# KiCad board Retro.kicad_pcb (continued)
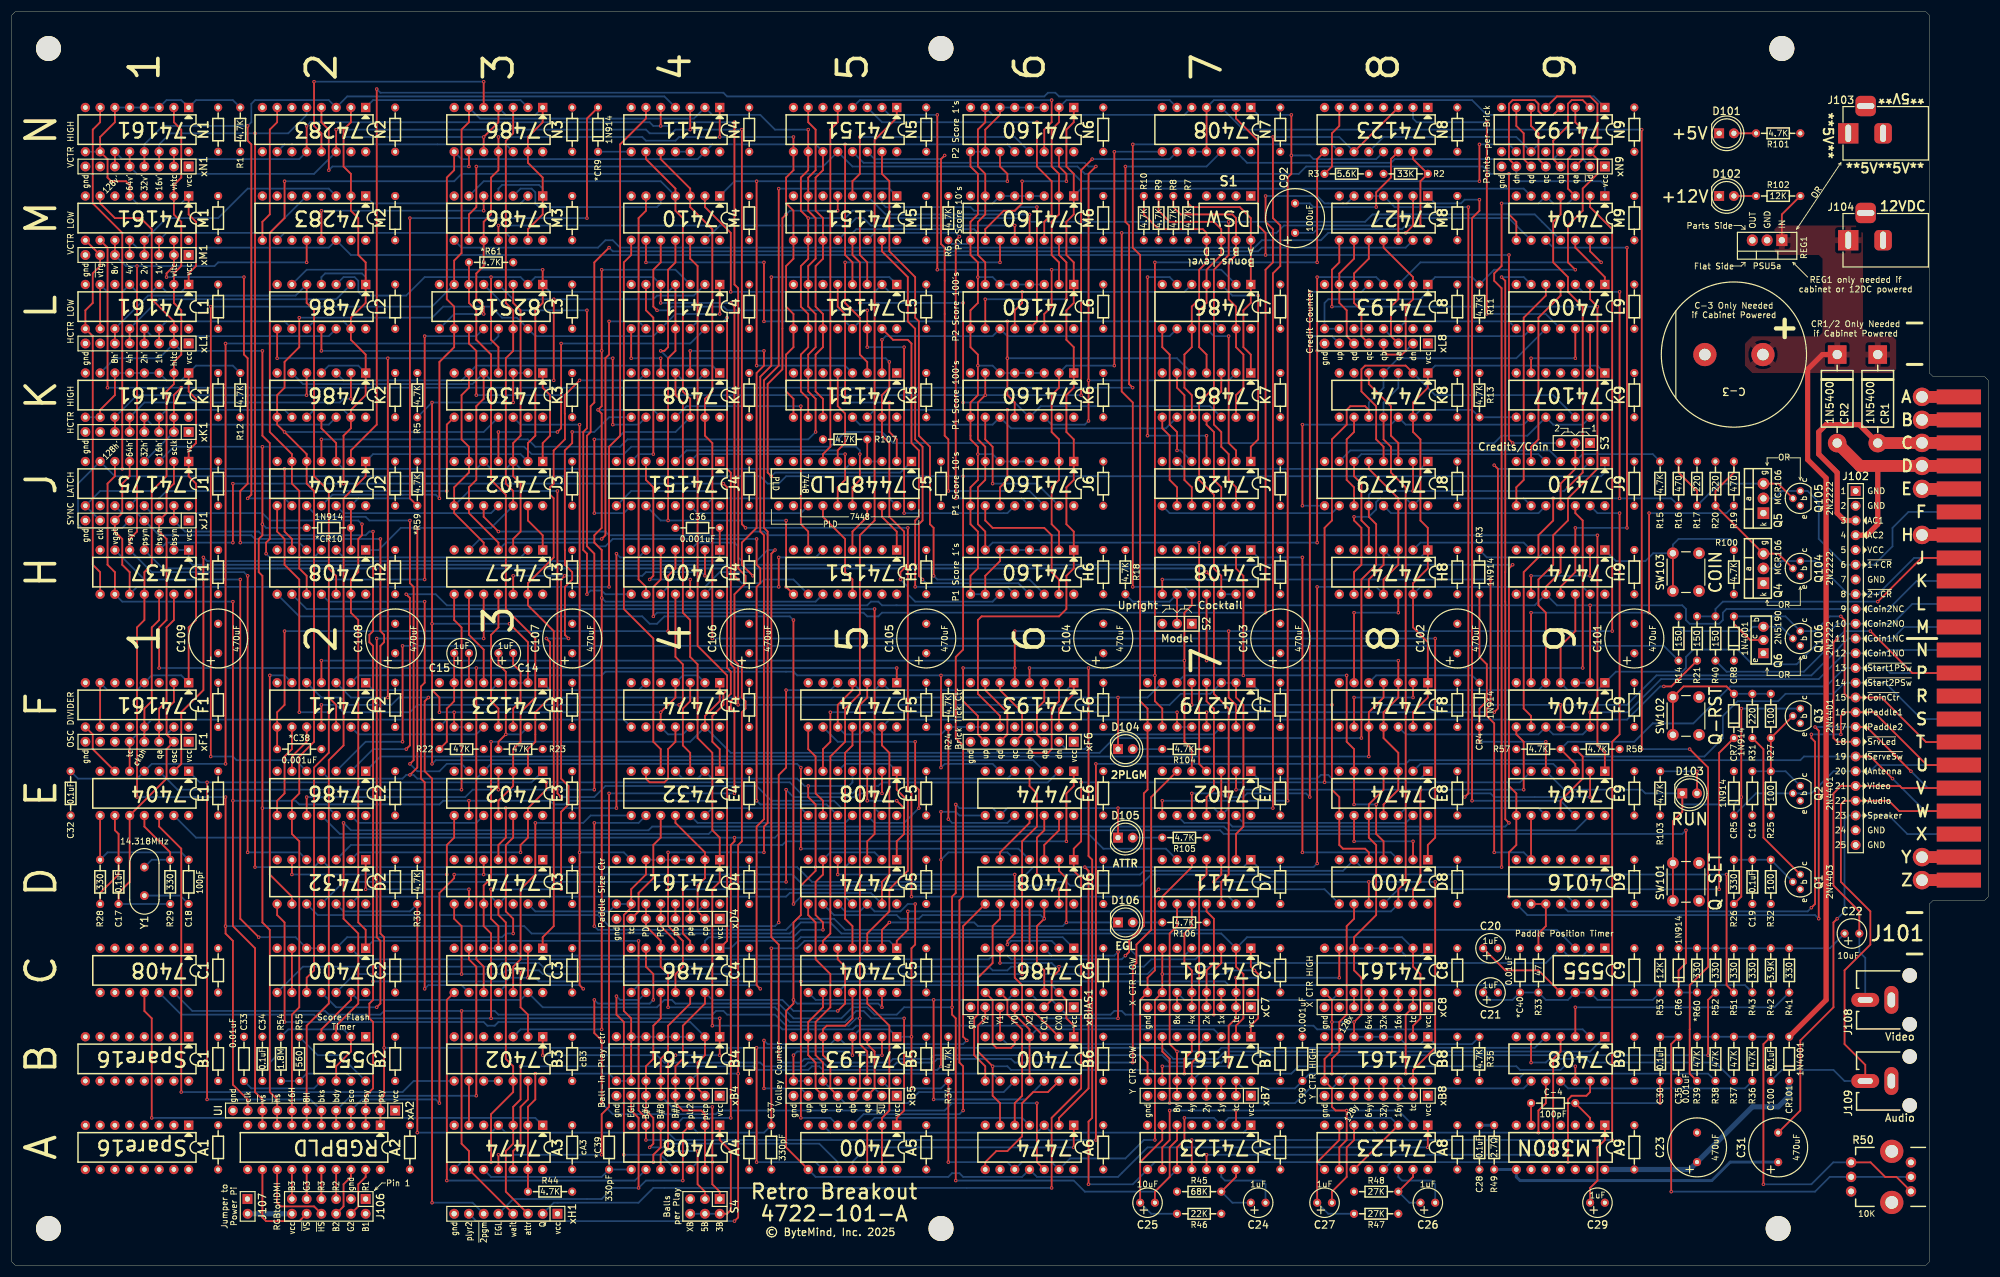
[diagram p0: board, top side]
## Routing (per net, layer and track width the routed paths; a pad name or vN(x,y) marks a point on that pad's centre or on a via; arc(x,y) is an arc through that point) (continued)
Net-(C6-Pad4): length 7.6
  Top w0.305: D6.11 C6.4
Net-(C9A-CV): length 16.5
  Top w0.305: C9.5 262.89,50.8 257.18,50.8 C20.1
Net-(C9A-Q): length 199.3
  Top w0.305: v1(100.33,58.42) v1(100.33,76.2)
  Bottom w0.305: C9.3 266.06,57.78 143.51,57.78 141.6,59.69 135.25,59.69 133.35,57.78 100.97,57.78 v1(100.33,58.42) ; E4.9 107.95,76.2 v1(100.33,76.2)
Net-(C17-Pad1): length 16.8
  Top w0.305: E1.9 17.78,74.93 18.41,74.29 C17.1 18.41,67.31 15.24,64.13 R28.2
Net-(C18-Pad1): length 23.9
  Top w0.305: R28.1 E1.8
  Bottom w0.305: R28.1 16.51,71.12 29.21,71.12 C18.1
Net-(C18-Pad2): length 8.2
  Bottom w0.305: Y1.2 29.03,63.68 C18.2
Net-(C28-Pad1): length 2.5
  Bottom w0.508: C28.1 R49.2
Net-(C30-Pad2): length 72.7
  Top w0.305: C35.1 285.75,38.1 v1(285.75,12.7)
  Bottom w0.305: R50.2 R50.2 313.06,15.24 310.51,12.7 v1(285.75,12.7) ; C35.1 C30.2
Net-(CR6-K): length 268.7
  Top w0.305: CR6.1 287.02,50.8 288.29,52.07 v1(288.29,74.93)
  Bottom w0.305: v1(288.29,74.93) 287.65,74.29 208.71,74.29 208.07,74.93 120.65,74.93 120.02,74.29 56.52,74.29 E2.11 ; CR6.1 *R60.2
Net-(CR7-K): length 85.9
  Top w0.305: CR7.1 294,88.26 v1(294,64.77)
  Bottom w0.305: D8.11 238.76,64.77 v1(294,64.77)
Net-(D2-Pad6): length 39.9
  Top w0.305: E3.8 76.2,73.66 74.93,72.39 v1(74.93,67.31) ; v1(48.26,67.31) D2.6
  Bottom w0.305: v1(74.93,67.31) v1(48.26,67.31)
Net-(D2-Pad9): length 45.3
  Top w0.305: D2.9 48.26,63.5 44.45,67.31 v1(44.45,101.6)
  Bottom w0.305: F2.6 46.99,101.6 v1(44.45,101.6)
Net-(D5A-D): length 46.7
  Top w0.305: v1(139.7,57.78) 139.7,59.05 138.43,60.32 138.43,66.04 139.7,67.31 D5.6
  Bottom w0.305: D5.2 148.59,71.12 140.97,71.12 D5.6 ; C4.2 119.38,55.88 120.02,56.51 134.62,56.51 135.89,57.78 v1(139.7,57.78)
Net-(D5A-Q): length 55.3
  Top w0.305: D5.5 v1(142.24,67.31) ; v1(172.72,67.31) D6.10 172.72,57.15 171.45,55.88 v1(171.45,55.24)
  Bottom w0.305: C6.2 179.07,55.88 172.09,55.88 v1(171.45,55.24) ; v1(142.24,67.31) v1(172.72,67.31)
Net-(D5A-~{R}): length 21.4
  Top w0.305: E5.3 v1(147.32,80.01) ; D5.1 152.4,73.02 153.67,74.29 153.67,78.74 v1(152.4,80.01)
  Bottom w0.305: v1(147.32,80.01) v1(152.4,80.01)
Net-(D5B-C): length 151.9
  Top w0.305: v1(134.62,111.12) v1(134.62,62.23)
  Bottom w0.305: v1(134.62,111.12) 133.99,111.76 112.39,111.76 111.12,110.49 109.86,110.49 108.58,111.76 49.53,111.76 H2.8 ; D5.11 143.51,63.5 135.89,63.5 v1(134.62,62.23)
Net-(D5B-Q): length 56
  Top w0.305: C6.12 177.8,50.8 176.53,52.07 176.53,58.42 v1(177.8,59.69) D6.12
  Bottom w0.305: D5.9 141.6,60.32 152.4,60.32 153.03,59.69 156.21,59.69 156.84,60.32 177.16,60.32 v1(177.8,59.69)
Net-(D7-Pad5): length 9.7
  Top w0.305: D7.8 198.12,63.5 203.2,68.58 D7.5
Net-(D7-Pad12): length 243.7
  Top w0.305: v1(205.74,119.38) 207.01,118.11 207.01,98.42 209.55,95.88 209.55,67.31 208.28,66.04 D7.12
  Bottom w0.305: v1(205.74,119.38) 205.1,120.01 26.04,120.01 H1.4
Net-(D8-Pad3): length 77.3
  Top w0.305: v1(222.25,121.92) v1(222.25,71.12)
  Bottom w0.305: H7.1 214.63,121.92 v1(222.25,121.92) ; v1(222.25,71.12) 237.49,71.12 D8.3
Net-(D101-A): length 3.8
  Top w0.305: D101.2 R101.2
Net-(D102-A): length 3.8
  Top w0.305: D102.2 R102.2
Net-(D103-A): length 10.2
  Top w0.305: v1(290.19,85.09) D103.2
  Bottom w0.305: R103.2 v1(290.19,85.09)
Net-(D104-A): length 5.1
  Bottom w0.305: D104.2 R104.2
Net-(D105-A): length 5.1
  Bottom w0.305: D105.2 R105.2
Net-(D106-A): length 5.1
  Bottom w0.305: D106.2 R106.2
Net-(E1-Pad3): length 87.6
  Top w0.305: v1(77.47,81.91) 77.47,109.85 76.2,111.12 H3.8
  Bottom w0.305: v1(77.47,81.91) 28.57,81.91 E1.3
Net-(E1-Pad11): length 14.4
  Top w0.305: E1.11 22.86,75.56 27.3,71.12 R29.2
  Bottom w0.305: R29.2 24.13,69.85 Y1.1
Net-(E2-Pad3): length 250.8
  Top w0.305: v1(67.31,106.68) v1(67.31,90.17)
  Bottom w0.305: R14.1 284.48,106.68 v1(67.31,106.68) ; v1(67.31,90.17) 60.96,90.17 E2.3
Net-(E2-Pad6): length 8.7
  Top w0.305: F2.10 50.8,90.17 48.26,87.63 E2.6
Net-(E2-Pad8): length 16.3
  Top w0.305: F2.9 48.26,88.9 46.99,87.63 46.99,81.28 45.72,80.01 E2.8
Net-(E2-Pad13): length 23.9
  Bottom w0.305: E2.13 59.69,76.2 80.01,76.2 E3.10
Net-(E3-Pad2): length 77.1
  Top w0.305: E3.2 88.9,88.9 90.17,90.17 90.17,95.25 92.71,97.79 92.71,107.31 v1(92.08,107.95) ; v1(96.52,143.51) 96.52,141.6 95.25,140.33 95.25,123.19 95.27,123.17 95.27,120.63 96.52,119.38 96.52,118.09 95.27,116.84 95.27,108.57 v1(95.89,107.95)
  Bottom w0.305: v1(96.52,143.51) 100.33,143.51 102.87,146.05 K4.8 ; v1(95.89,107.95) v1(92.08,107.95)
Net-(E4-Pad1): length 95.6
  Top w0.305: M4.12 116.84,173.35 118.11,172.08 118.11,106.68 123.19,101.6 123.19,99.06 122.56,98.42 122.56,96.52 120.65,94.61 120.65,90.17 121.92,88.9 E4.1
Net-(E4-Pad5): length 94.6
  Top w0.305: E4.5 111.76,88.9 110.49,90.17 110.49,107.95 105.41,113.03 105.41,172.72 106.68,173.99 M4.8
Net-(E4-Pad12): length 29
  Bottom w0.305: E4.12 118.11,76.2 143.51,76.2 E5.11
Net-(E4-Pad13): length 18.8
  Bottom w0.305: E5.8 135.89,78.74 120.65,78.74 E4.13
Net-(E5-Pad6): length 75.5
  Top w0.305: v1(140.97,95.25) 140.97,90.17 139.7,88.9 E5.6 ; F7.11 v1(200.66,95.25)
  Bottom w0.305: v1(200.66,95.25) v1(140.97,95.25) ; F7.11 F7.12
Net-(E6A-D): length 134.3
  Top w0.305: v1(87.63,71.12) 87.63,72.39 88.9,73.66 E3.13 88.9,78.74 92.08,81.91 v1(92.08,83.19)
  Bottom w0.305: v1(87.63,71.12) 59.69,71.12 D2.2 ; v1(92.08,83.19) 133.99,83.19 135.89,81.28 144.78,81.28 146.05,82.55 149.24,82.55 149.86,83.17 178.42,83.17 E6.2
Net-(E6A-~{R}): length 139.6
  Top w0.305: E6.1 182.88,82.55 181.61,81.28 v1(181.61,73.02)
  Bottom w0.305: v1(181.61,73.02) 133.35,73.02 132.72,72.39 58.42,72.39 D2.3
Net-(E6B-C): length 9.7
  Top w0.305: D6.6 170.18,71.12 175.26,76.2 E6.11
Net-(E6B-~{R}): length 8.7
  Top w0.305: D6.3 177.8,72.39 180.34,74.93 E6.13
Net-(E8A-D): length 26.5
  Bottom w0.305: E9.4 265.43,86.36 242.57,86.36 E8.2
Net-(E8A-~{R}): length 32.1
  Bottom w0.305: E7.1 214.63,83.82 224.79,83.82 225.43,84.45 226.69,84.45 227.33,83.82 242.57,83.82 E8.1
Net-(E8B-D): length 26.5
  Bottom w0.305: E9.10 262.89,78.74 240.03,78.74 E8.12
Net-(E8B-~{R}): length 31.5
  Bottom w0.305: E7.13 212.09,76.2 240.03,76.2 E8.13
Net-(E9-Pad1): length 236.7
  Top w0.305: v1(83.82,126.36) 81.28,128.9 J3.10 ; E9.1 274.32,88.26 273.05,89.53 v1(273.05,125.73)
  Bottom w0.305: v1(83.82,126.36) 102.23,126.36 102.87,125.73 127,125.73 127.64,126.36 129.54,126.36 130.18,125.73 v1(273.05,125.73)
Net-(F1A-~{PE}): length 9.7
  Top w0.305: E1.6 13.97,88.9 13.97,91.44 F1.9
Net-(F3A-Cx): length 13.8
  Top w0.305: C14.2 86.36,103.5 87.63,102.23 87.63,97.16 86.36,95.88 F3.14
Net-(F3A-RCx): length 21.9
  Top w0.305: R23.2 83.82,90.17 v1(85.09,91.44) 85.09,102.23 83.82,103.5 C14.1
  Bottom w0.305: v1(85.09,91.44) 87.63,91.44 F3.15
Net-(F3A-~{A}): length 18.8
  Bottom w0.305: F3.1 92.71,99.06 107.95,99.06 F4.6
Net-(F3B-Cx): length 5.1
  Top w0.305: C15.2 F3.6
Net-(F3B-RCx): length 17.6
  Top w0.305: R22.2 74.93,90.17 74.93,95.88 76.2,97.16 F3.7 C15.1
Net-(F3B-~{A}): length 34.1
  Bottom w0.305: F3.9 74.93,93.98 105.41,93.98 F4.8
Net-(F4A-C): length 16.3
  Top w0.305: F4.3 116.84,97.16 115.57,95.88 115.57,89.53 116.84,88.26 E4.3
Net-(F4B-C): length 15
  Top w0.305: E4.6 109.22,83.82 109.86,83.19 112.39,83.19 113.03,83.82 113.03,88.9 114.3,90.17 F4.11
Net-(F5A-Q): length 133.1
  Top w0.305: v1(132.08,59.05) 132.08,84.45 133.35,85.72 v1(133.35,99.06)
  Bottom w0.305: v1(133.35,99.06) 140.97,99.06 F5.5 ; v1(132.08,59.05) 131.44,58.42 102.87,58.42 100.97,60.32 52.7,60.32 D2.10
Net-(F6A-!BO): length 34.1
  Bottom w0.305: F7.14 207.01,91.44 176.53,91.44 F6.13
Net-(F7A-Q): length 23.9
  Top w0.305: F7.4 205.74,97.16 207.01,95.88 207.01,81.91 205.74,80.64 E7.11
Net-(F7D-Q): length 112.4
  Top w0.305: v1(255.27,137.79) 255.91,137.16 255.91,95.88 v1(255.27,95.25) ; F7.13 v1(205.74,95.25)
  Bottom w0.305: v1(255.27,137.79) 255.91,137.16 270.51,137.16 J9.2 ; v1(205.74,95.25) v1(255.27,95.25)
Net-(F8A-D): length 17.8
  Top w0.305: v1(231.14,97.79) F8.9 ; F8.2 v1(241.3,97.79)
  Bottom w0.305: v1(241.3,97.79) v1(231.14,97.79)
Net-(H3-Pad6): length 68.5
  Top w0.305: v1(101.6,125.09) 102.23,125.73 102.23,156.21 102.87,156.84 v1(102.87,162.56)
  Bottom w0.305: v1(101.6,125.09) 80.64,125.09 H3.6 ; L4.9 107.95,162.56 v1(102.87,162.56)
Net-(H4-Pad9): length 69.6
  Top w0.305: H4.9 109.22,116.84 107.95,118.11 107.95,180.34 109.22,181.61 M4.6
Net-(H4-Pad10): length 75.3
  Top w0.305: v1(127.64,118.74) 125.73,120.65 125.73,124.46 128.27,127 128.27,153.67 129.54,154.94 v1(129.54,157.48) ; K4.3 v1(116.84,157.48)
  Bottom w0.305: v1(127.64,118.74) 127,119.38 121.92,119.38 119.38,116.84 113.03,116.84 H4.10 ; v1(129.54,157.48) v1(116.84,157.48)
Net-(H5A-E): length 47.7
  Top w0.305: H5.7 137.16,126.36 135.89,127.63 v1(135.89,147.95)
  Bottom w0.305: K4.11 116.2,147.95 v1(135.89,147.95)
Net-(H6A-TC): length 25.7
  Top w0.305: J6.10 167.64,128.27 168.91,127 177.8,127 179.07,125.73 179.07,119.38 180.34,118.11 H6.15
Net-(H8A-Q): length 50.4
  Top w0.305: H8.5 233.68,127 232.41,128.27 232.41,134.62 231.14,135.89 J8.6
  Bottom w0.305: J8.6 232.41,139.7 262.89,139.7 J9.5
Net-(H8B-Q): length 48.5
  Top w0.305: H8.9 231.14,119.38 232.41,120.65 232.41,127 231.14,128.27 v1(231.14,128.9)
  Bottom w0.305: J9.9 260.35,132.08 242.57,132.08 J8.15 240.03,132.08 235.59,132.08 234.95,131.44 234.95,130.17 233.68,128.9 v1(231.14,128.9)
Net-(H9A-D): length 17.8
  Top w0.305: v1(271.78,118.74) H9.2 ; H9.9 v1(261.62,118.74)
  Bottom w0.305: v1(261.62,118.74) v1(271.78,118.74)
Net-(H9A-~{R}): length 33.5
  Top w0.305: SW103.1 SW103.1
  Bottom w0.305: R100.2 296.55,124.46 295.91,125.09 287.02,125.09 286.04,124.11 SW103.1 282.65,122.63 281.31,121.28 276.23,121.28 H9.1
Net-(J2-Pad12): length 29
  Bottom w0.305: J2.12 57.15,129.54 82.55,129.54 J3.11
Net-(J3-Pad1): length 16.3
  Top w0.305: J3.1 91.44,141.6 92.71,142.88 92.71,149.86 91.44,151.13 K3.1
Net-(J3-Pad4): length 56.6
  Top w0.305: v1(93.98,143.51) 94.61,144.14 v1(94.61,158.75) ; J3.4 v1(83.82,143.51)
  Bottom w0.305: L4.13 116.84,158.75 v1(94.61,158.75) ; v1(83.82,143.51) v1(93.98,143.51)
Net-(J4A-E): length 34.1
  Top w0.305: v1(110.49,139.7) 110.49,163.19 109.22,164.46 L4.6
  Bottom w0.305: v1(110.49,139.7) 107.95,139.7 J4.7
Net-(J5A-BI/RBO): length 6.4
  Top w0.305: R107.2 J5.4
  Bottom w0.305: J5.4 J5.3
Net-(J6A-TC): length 25
  Top w0.305: v1(168.91,134.62) 168.91,140.97 167.64,142.24 K6.10
  Bottom w0.305: J6.15 176.53,134.62 v1(168.91,134.62)
Net-(J7-Pad1): length 36.2
  Top w0.305: v1(214.63,167) 214.63,142.24 213.36,140.97 J7.1
  Bottom w0.305: v1(214.63,167) 210.19,167 L7.3
Net-(J7-Pad2): length 26.5
  Top w0.305: J7.2 210.82,140.33 209.55,141.6 v1(209.55,160.02)
  Bottom w0.305: v1(209.55,160.02) 207.01,160.02 L7.11
Net-(J7-Pad4): length 47.5
  Top w0.305: v1(195.58,170.18) v1(195.58,142.88) ; v1(205.74,142.88) J7.4
  Bottom w0.305: v1(195.58,170.18) 199.39,170.18 L7.6 ; v1(195.58,142.88) v1(205.74,142.88)
Net-(J7-Pad5): length 25.3
  Top w0.305: v1(200.66,140.33) 200.66,143.51 199.39,144.78 199.39,156.84 198.12,158.12 L7.8
  Bottom w0.305: J7.5 201.29,140.33 v1(200.66,140.33)
Net-(J7-Pad9): length 16.3
  Top w0.305: K7.8 198.12,144.14 199.39,142.88 199.39,135.25 200.66,133.98 J7.9
Net-(J7-Pad10): length 23.9
  Top w0.305: K7.6 200.66,151.13 201.93,149.86 201.93,135.25 203.2,133.98 J7.10
Net-(J7-Pad12): length 16.3
  Top w0.305: J7.12 208.28,133.98 207.01,135.25 207.01,143.51 205.74,144.78 K7.11
Net-(J7-Pad13): length 25
  Top w0.305: K7.3 208.28,150.5 207.01,149.22 207.01,144.78 208.28,143.51 208.28,140.97 209.55,139.7 209.55,135.25 210.82,133.98 J7.13
Net-(J8A-Q): length 58.2
  Top w0.305: K8.2 240.03,154.94 233.04,154.94 232.41,154.31 232.41,150.5 234.95,147.95 234.95,142.24 236.22,140.97 J8.4
  Bottom w0.305: K8.2 245.11,149.86 265.43,149.86 K9.12
Net-(J8A-~{R}): length 44.2
  Bottom w0.305: J8.1 242.57,137.16 201.93,137.16 J7.6
Net-(J8B-Q): length 39.7
  Bottom w0.305: J9.4 264.8,140.33 230.5,140.33 J8.7
Net-(J8C-Q): length 58.7
  Top w0.305: v1(222.25,130.81) v1(222.25,144.78)
  Bottom w0.305: K9.9 260.35,144.78 240.03,144.78 K8.12 237.49,144.78 v1(222.25,144.78) ; J8.9 v1(222.25,130.81)
Net-(J8C-~{R}): length 31.5
  Bottom w0.305: J7.8 199.39,129.54 227.33,129.54 J8.10
Net-(J8D-Q): length 29
  Bottom w0.305: J9.10 262.89,129.54 237.49,129.54 J8.13
Net-(J9-Pad6): length 32.6
  Top w0.305: J9.6 261.62,140.97 262.89,142.24 262.89,163.19 266.7,167 L9.4
Net-(J9-Pad8): length 40.2
  Top w0.305: L9.5 264.16,167 260.35,163.19 260.35,135.25 259.08,133.98 J9.8
Net-(J9-Pad11): length 26.9
  Top w0.305: 269.24,140.97 J9.3 269.24,137.16 266.7,134.62 J9.11
  Bottom w0.305: J9.3 270.51,139.7 282.57,139.7 R15.2
Net-(J106-VCC): length 7.6
  Bottom w0.889: J107.2 J106.12
Net-(K4-Pad5): length 12.7
  Top w0.305: K4.5 v1(111.76,156.21) ; v1(106.68,156.21) L4.8
  Bottom w0.305: v1(111.76,156.21) v1(106.68,156.21)
Net-(K7-Pad1): length 40.8
  Top w0.305: K7.1 213.36,156.84 212.09,158.12 212.09,164.46 213.36,165.73 L7.1 S1.8 213.36,180.34 211.46,182.25 203.2,182.25 202.56,182.88 R7.2
Net-(K7-Pad4): length 41.5
  Top w0.305: R9.2 197.49,181.61 199.39,179.7 207.01,179.7 208.28,178.44 S1.6 208.28,173.99 205.74,171.45 L7.4 205.74,165.73 204.47,164.46 204.47,158.12 205.74,156.84 K7.4
Net-(K7-Pad10): length 49.1
  Top w0.305: K7.10 203.2,149.86 201.93,151.13 201.93,156.84 203.2,158.12 L7.10 203.2,165.1 204.47,166.37 204.47,171.45 205.74,172.72 S1.5 205.74,177.8 205.1,178.44 197.49,178.44 194.94,180.97 R10.2
Net-(K7-Pad13): length 49.9
  Top w0.305: R8.2 200.03,182.25 201.29,180.97 210.19,180.97 210.82,180.34 S1.7 210.82,173.99 209.55,172.72 209.55,166.37 210.82,165.1 L7.13 210.82,158.12 212.09,156.84 212.09,151.13 210.82,149.86 K7.13
Net-(K9A-~{Q}): length 7.6
  Top w0.305: K9.2 L9.13
Net-(K9B-~{Q}): length 15.2
  Top w0.305: v1(269.24,156.21) L9.12 ; K9.6 v1(261.62,156.21)
  Bottom w0.305: v1(261.62,156.21) v1(269.24,156.21)
Net-(L3A-DIN): length 149.4
  Top w0.305: v1(36.83,86.36) v1(36.83,158.75)
  Bottom w0.305: v1(36.83,86.36) 24.13,86.36 E1.4 21.59,83.82 11.43,83.82 C32.1 ; L3.13 83.82,160.02 82.55,158.75 v1(36.83,158.75)
Net-(L3A-~{CE3}): length 77.2
  Top w0.305: v1(99.06,164.46) 99.06,144.14 98.42,143.51 98.42,123.19 99.06,122.55 v1(99.06,115.57)
  Bottom w0.305: v1(99.06,164.46) 85.72,164.46 L3.5 ; v1(99.06,115.57) 99.69,116.2 101.6,116.2 102.23,115.57 H4.8
Net-(L3A-~{DOUT}): length 102.6
  Top w0.305: *R61.2 L3.6 78.74,165.73 80.01,164.46 80.01,159.38 82.55,156.84 82.55,135.25 85.09,132.71 85.09,113.03 90.17,107.95 90.17,97.79 87.63,95.25 87.63,90.17 86.36,88.9 E3.3 86.36,82.55 83.82,80.01 E3.11
Net-(L3A-~{WE}): length 95
  Top w0.305: v1(54.61,118.11) 54.61,97.79 55.88,96.52 F2.12 ; v1(71.12,118.11) v1(71.12,160.02)
  Bottom w0.305: v1(54.61,118.11) v1(71.12,118.11) ; L3.12 80.01,160.02 v1(71.12,160.02)
Net-(L5A-I3): length 169.5
  Top w0.305: v1(130.81,170.18) 130.81,154.94 128.91,153.03 128.91,126.36 129.54,125.73 129.54,76.83 128.27,75.56 128.27,48.26 v1(128.91,47.62)
  Bottom w0.305: L5.1 151.13,170.18 v1(130.81,170.18) ; v1(128.91,47.62) 128.27,48.26 107.95,48.26 C4.8
Net-(L6A-CET): length 29.7
  Top w0.305: M6.15 180.34,173.99 181.61,172.72 v1(181.61,166.37) ; L6.10 v1(167.64,166.37)
  Bottom w0.305: v1(167.64,166.37) v1(181.61,166.37)
Net-(L8A-!BO): length 26.5
  Bottom w0.305: L8.13 237.49,160.02 260.35,160.02 L9.9
Net-(L8A-!CO): length 2.5
  Bottom w0.305: L8.11 L8.12
Net-(L8A-CL): length 21.4
  Bottom w0.305: L9.8 257.81,162.56 240.03,162.56 L8.14
Net-(L9-Pad1): length 9.7
  Top w0.305: M9.12 269.24,175.26 274.32,170.18 L9.1
Net-(M2A-C4): length 23.9
  Top w0.305: M2.9 43.18,179.7 44.45,180.97 44.45,195.58 45.72,196.85 N2.7
Net-(M2A-S2): length 29
  Bottom w0.305: M2.1 62.23,182.88 87.63,182.88 M3.2
Net-(M2A-S3): length 35.6
  Top w0.305: v1(81.28,181.61) M3.5 ; v1(53.34,181.61) M2.13
  Bottom w0.305: v1(53.34,181.61) v1(81.28,181.61)
Net-(M2A-S4): length 41.7
  Bottom w0.305: M3.12 85.09,177.8 46.99,177.8 M2.10
Net-(M3-Pad8): length 173.3
  Top w0.305: M8.2 241.3,179.07 v1(240.03,177.8)
  Bottom w0.305: v1(240.03,177.8) 226.69,177.8 225.43,176.53 215.26,176.53 214,175.26 104.78,175.26 103.5,176.53 102.23,176.53 100.97,175.26 77.47,175.26 M3.8
Net-(M5A-I3): length 178.9
  Top w0.305: v1(113.03,71.12) 113.03,58.42 115.57,55.88 115.57,51.44 114.3,50.16 C4.11 ; v1(129.54,71.12) 129.54,75.56 130.18,76.2 130.18,126.36 129.54,127 129.54,152.4 132.08,154.94 v1(132.08,185.42)
  Bottom w0.305: v1(132.08,185.42) 151.13,185.42 M5.1 ; v1(129.54,71.12) v1(113.03,71.12)
Net-(M6A-CET): length 27.1
  Top w0.305: v1(173.99,186.69) 173.99,182.88 172.72,181.61 170.81,181.61 167.64,178.44 M6.10 ; N6.15 180.34,189.23 181.61,187.96 v1(181.61,186.69)
  Bottom w0.305: v1(181.61,186.69) v1(173.99,186.69)
Net-(M8-Pad12): length 7.6
  Top w0.305: M8.12 M8.3
Net-(N1A-CEP): length 107.3
  Top w0.305: H2.6 48.26,125.09 46.99,126.36 v1(46.99,137.16) ; v1(19.05,137.16) 19.05,177.8 13.97,182.88 13.97,195.58 15.24,196.85 N1.7
  Bottom w0.305: v1(46.99,137.16) v1(19.05,137.16)
Net-(N2A-S1): length 38.3
  Top w0.305: N2.4 53.34,196.85 54.61,195.58 v1(54.61,188.59) ; N3.9 v1(78.74,189.23)
  Bottom w0.305: v1(54.61,188.59) 55.24,189.23 v1(78.74,189.23)
Net-(N2A-S2): length 29
  Bottom w0.305: N2.1 62.23,200.66 87.63,200.66 N3.2
Net-(N2A-S3): length 46.2
  Top w0.305: v1(52.07,203.83) 52.07,196.21 53.34,194.94 N2.13 ; v1(81.28,203.83) N3.5
  Bottom w0.305: v1(81.28,203.83) v1(52.07,203.83)
Net-(N2A-S4): length 41.7
  Bottom w0.305: N3.12 85.09,193.04 46.99,193.04 N2.10
Net-(N4-Pad11): length 2.5
  Bottom w0.305: N4.11 N4.12
Net-(N5A-I3): length 150
  Top w0.305: C5.6 139.7,55.88 140.97,57.15 140.97,87.63 143.51,90.17 143.51,95.88 146.05,98.42 146.05,125.73 148.59,128.27 148.59,193.8 152.4,197.61 N5.1
Net-(N8A-B): length 61.6
  Top w0.305: v1(254,196.85) v1(254,163.83)
  Bottom w0.305: N8.2 241.3,197.48 241.94,196.85 v1(254,196.85) ; L9.11 264.16,163.83 v1(254,163.83)
Net-(N8A-Cx): length 25.3
  Top w0.305: N8.14 237.49,190.5 237.49,187.32 234.95,184.78 v1(234.95,182.25)
  Bottom w0.305: v1(234.95,182.25) 224.16,182.25 223.52,182.88 C92.2
Net-(N8A-RCx): length 36.4
  Top w0.305: N8.15 241.3,190.5 R2.2 242.57,186.69 v1(242.57,179.07)
  Bottom w0.305: C92.1 224.16,177.8 224.79,178.44 239.4,178.44 240.03,179.07 v1(242.57,179.07)
Net-(N8B-RCx): length 12.5
  Top w0.305: R3.2 227.33,189.23 227.33,194.94 228.6,196.21 N8.7
Net-(N9A-!BO): length 57.5
  Bottom w0.305: N7.13 212.72,189.86 237.49,189.86 238.12,190.5 265.43,190.5 N9.13
Net-(Q1-C): length 26.9
  Top w0.305: R31.1 301.62,88.9 301.62,73.66 Q1.3
Net-(Q104-B): length 26.7
  Top w0.305: 306.7,120.01 304.17,122.55 Q4.3 R20.1 293.37,133.35 296.55,136.52 R19.2
Net-(Q105-B): length 28.1
  Top w0.305: R17.1 290.19,133.35 287.02,136.52 R16.2 ; 306.7,132.08 304.17,134.62 Q5.3
  Bottom w0.305: Q5.3 294,134.62 R17.1
Net-(Q106-B): length 23
  Bottom w0.305: 306.7,107.95 304.69,109.97 Q6.3 299.83,109.97 299.08,109.22 287.65,109.22 287.02,109.85 R14.2

## Copper pours and planes (outline as drawn; the poured copper is in the pictures)
GND on In1.Cu: 1.27,214.63 328.93,214.63 328.93,153.03 330.2,151.76 339.09,151.76 339.09,64.13 330.83,64.13 328.93,62.23 328.93,1.27 1.27,1.27
VCC on In2.Cu: 1.27,214.63 328.93,214.63 328.93,153.03 330.2,151.76 339.09,151.76 339.09,64.13 330.83,64.13 328.93,62.23 328.93,1.27 1.27,1.27
/Sheet4/V_UNREG on Top: 298.45,154.94 298.45,158.75 299.72,160.02 311.15,160.02 311.79,160.65 311.79,173.35 311.15,173.99 304.17,173.99 303.53,174.62 303.53,178.44 304.17,179.07 317.5,179.07 318.77,177.8 318.77,160.65 319.4,160.02 323.85,160.02 324.49,159.38 324.49,154.31 323.85,153.67 299.72,153.67
/Sheet4/V_UNREG on Bottom: 298.45,158.75 299.72,160.02 311.15,160.02 311.79,160.65 311.79,173.35 311.15,173.99 304.17,173.99 303.53,174.62 303.53,178.44 304.17,179.07 317.5,179.07 318.77,177.8 318.77,160.65 319.4,160.02 323.85,160.02 324.49,159.38 324.49,154.31 323.85,153.67 299.72,153.67 298.45,154.94
/Sheet4/V_UNREG on Bottom: 298.45,154.94 298.45,158.75 299.72,160.02 311.15,160.02 311.79,160.65 311.79,173.35 311.15,173.99 304.17,173.99 303.53,174.62 303.53,178.44 304.17,179.07 317.5,179.07 318.77,177.8 318.77,160.65 319.4,160.02 323.85,160.02 324.49,159.38 324.49,154.31 323.85,153.67 299.72,153.67

## Text on the board
B.Silkscreen: PLD | 7448 | 128v' | 128h' | ckbh | 128x | 128y | gnd | ~{vtrg} | clk | 8v' | 8h' | vgat | 64v' | 4v' | 4h' | 64h' | vsyn | tc | 32v' | 2v' | 2h' | 32h' | psyn | 16v' | 1v' | 1h' | 16h' | hsyn | qa | vhtc | vltc | hltc | sclk | bsyn | osc | vcc | ~{VS} | ~{HS} | B2 | G2 | B1 | plyr2 | ~{2pgm} | EGL | wait | attr | Q | PD | B#C | PC | B#B | pb | B#A | pa | plr2 | XB | cp | plcp | 5B | 3B | up | qd | qc | qb | ~{SU} | Y2 | Y1 | Y0 | X2 | CX1 | dn | CX0 | 8x | 8y | 4x | 4y | 2x | 2y | 1x | 1y | 64x | 64y | 32x | 32y | 16x | 16y | ~{ld} | ~{vs} | ~{hs} | 16H | B3 | 8H | G3 | bks | R3 | bdy | R2 | sco | bsy | R1 | psy | 2 | 1 | 3 | 4 | 5 | 6 | 7 | 8 | 9 | 10 | 11 | 12 | 13 | 14 | 15 | 16 | 17 | 18 | 19 | 20 | 21 | 22 | 23 | 24 | 25 | Score Flash / Timer | Paddle Position Timer | GND | AC1 | AC2 | VCC | ~{1+CR} | ~{2+CR} | Coin2NC | Coin2NO | Coin1NC | Coin1NO | ~{Start1PSw} | ~{Start2PSw} | ~{CoinCtr} | Paddle1 | Paddle2 | ~{SrvLed} | ~{ServeSw} | Antenna | Video | Audio | Speaker | VCTR HIGH | VCTR LOW | HCTR LOW | HCTR HIGH | SYNC LATCH | OSC DIVIDER | Paddle Size Ctr | Ball-in-Play ctr | Volley Counter | P2 Score 1's | P2 Score 100's | P1 Score 100's | P1 Score 10's | P1 Score 1's | Brick Tick Ctr | P2 Score 10's | X CTR LOW | Y CTR LOW | Credit Counter | X CTR HIGH | Y CTR HIGH | Points-per-Brick | OUT | IN | Upright | Cocktail | Credits/Coin | Model | D | C | Bonus Level | B | A | N | M | L | K | J | H | F | E
F.Silkscreen: PLD | 7448 | 128v' | 128h' | ckbh | 128x | 128y | gnd | clk | ~{vs} | ~{hs} | 16H | B3 | 8H | G3 | bks | R3 | bdy | R2 | sco | bsy | R1 | psy | vcc | ~{vtrg} | 8v' | 8h' | vgat | 64v' | 4v' | 4h' | 64h' | vsyn | tc | 32v' | 2v' | 2h' | 32h' | psyn | 16v' | 1v' | 1h' | 16h' | hsyn | qa | vhtc | vltc | hltc | sclk | bsyn | osc | ~{VS} | ~{HS} | B2 | G2 | B1 | plyr2 | ~{2pgm} | EGL | wait | attr | Q | PD | B#C | PC | B#B | pb | B#A | pa | plr2 | XB | cp | plcp | 5B | 3B | up | qd | qc | qb | ~{SU} | Y2 | Y1 | Y0 | X2 | CX1 | dn | CX0 | 8x | 8y | 4x | 4y | 2x | 2y | 1x | 1y | 64x | 64y | 32x | 32y | 16x | 16y | ~{ld} | GND | AC1 | AC2 | VCC | ~{1+CR} | ~{2+CR} | Coin2NC | Coin2NO | Coin1NC | Coin1NO | ~{Start1PSw} | ~{Start2PSw} | ~{CoinCtr} | Paddle1 | Paddle2 | ~{SrvLed} | ~{ServeSw} | Antenna | Video | Audio | Speaker | Pin 1 | Parts Side | Flat Side | Score Flash / Timer | Paddle Position Timer | C-3 Only Needed / if Cabinet Powered | OR | REG1 only needed if / cabinet or 12DC powered | CR1/2 Only Needed / if Cabinet Powered | 2 | 1 | 3 | 4 | 5 | 6 | 7 | 8 | 9 | 10 | 11 | 12 | 13 | 14 | 15 | 16 | 17 | 18 | 19 | 20 | 21 | 22 | 23 | 24 | 25 | OUT | IN | VCTR HIGH | VCTR LOW | HCTR LOW | HCTR HIGH | SYNC LATCH | OSC DIVIDER | Jumper to / Power Pi | Paddle Size Ctr | Ball-in-Play ctr | Balls / per Play | Volley Counter | P2 Score 1's | P2 Score 100's | P1 Score 100's | P1 Score 10's | P1 Score 1's | Brick Tick Ctr | P2 Score 10's | X CTR LOW | Y CTR LOW | Credit Counter | X CTR HIGH | Y CTR HIGH | Points-per-Brick | a | c | e | b | g | k | © ByteMind, Inc. 2025 | Model | Upright | Cocktail | Credits/Coin | D | C | Bonus Level | B | A | **5V**5V** | 12VDC | **5V** | +12V | Retro Breakout | 4722-101-A | N | M | L | K | J | H | F | E
